# Altium PCB HOL-Dash_1_2.PcbDoc (part 1 of 2)
Units mil, origin at the board's own origin, x right, y up, seen from the top; angles counter-clockwise.
Board outline 2180 x 800 mil, 8 copper layers (Top Layer, Signal Layer 1, Signal Layer 2, Internal Plane 1, Internal Plane 2, Signal Layer 3, Signal Layer 4, Bottom Layer), stack 61.2 mil thick; 115 components, 105 nets, 538 pads, 175 vias.
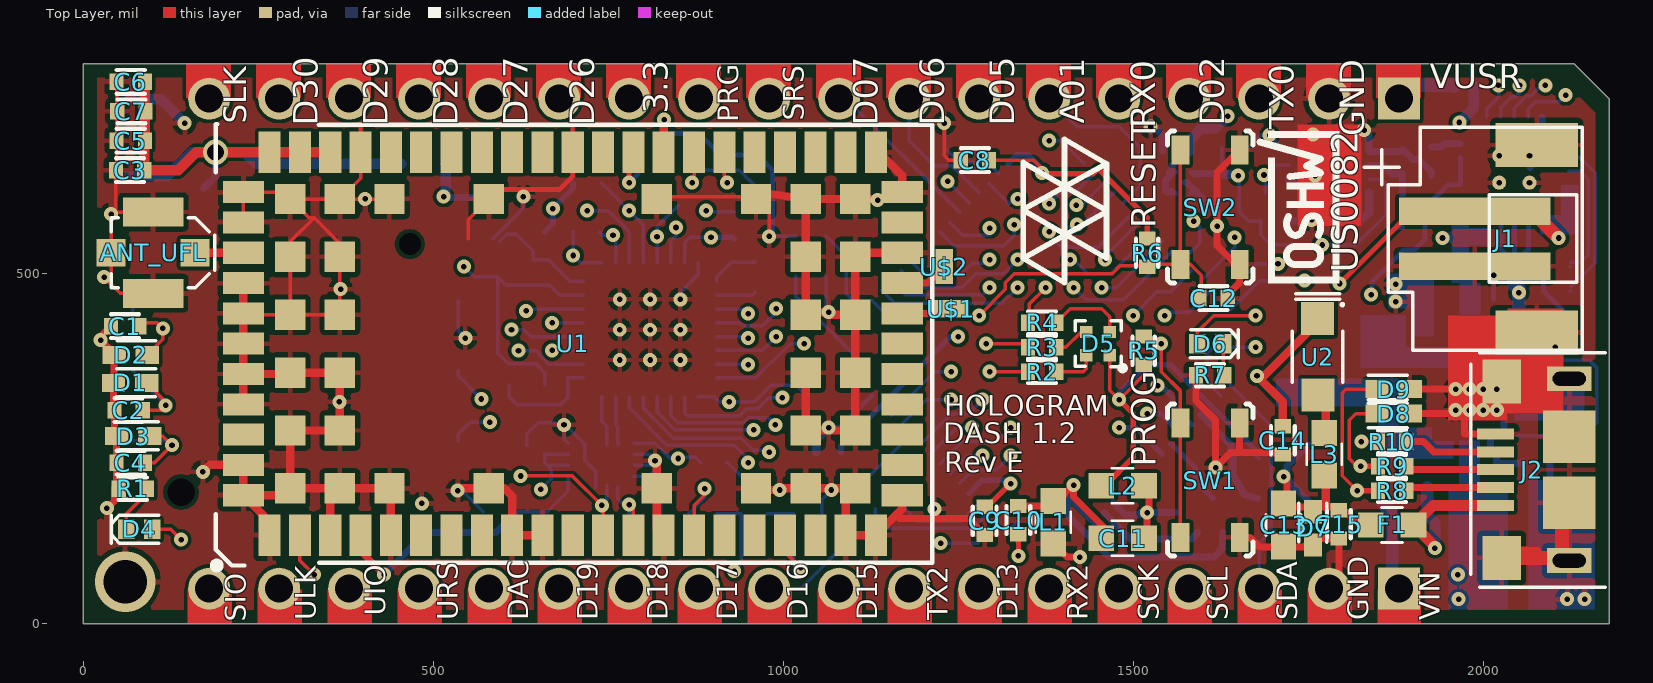
[diagram p0: Top Layer view]
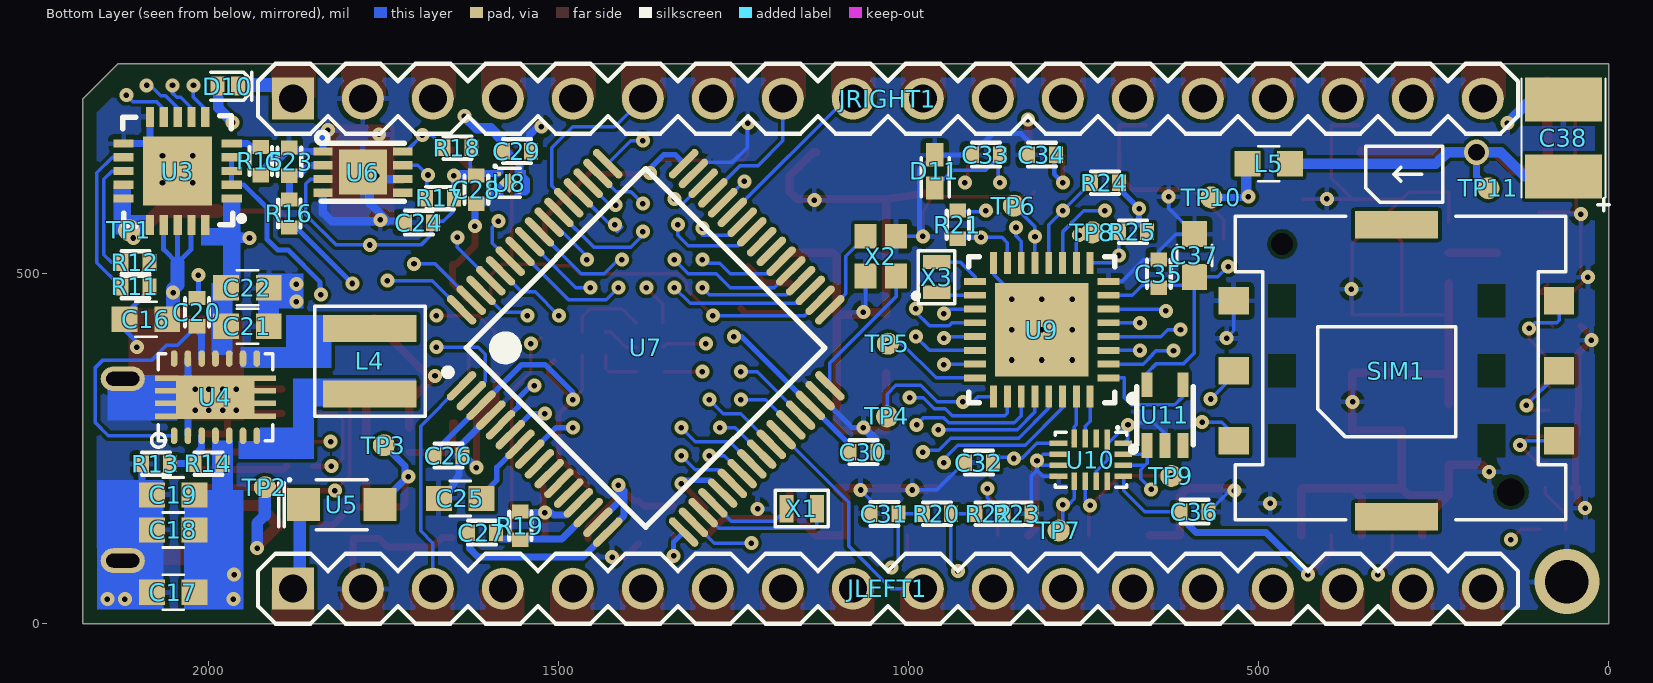
[diagram p1: Bottom Layer view, seen from below]
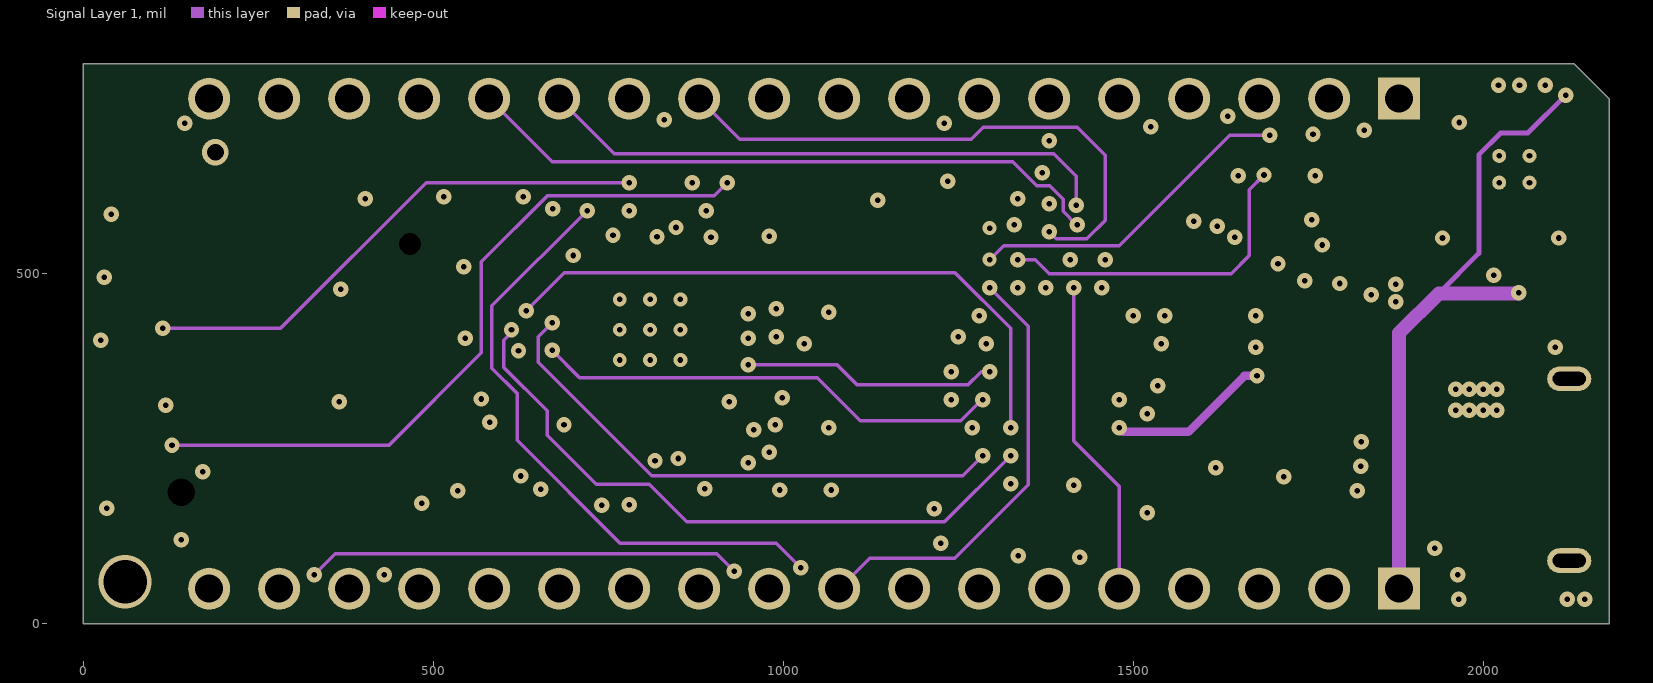
[diagram p2: Signal Layer 1]
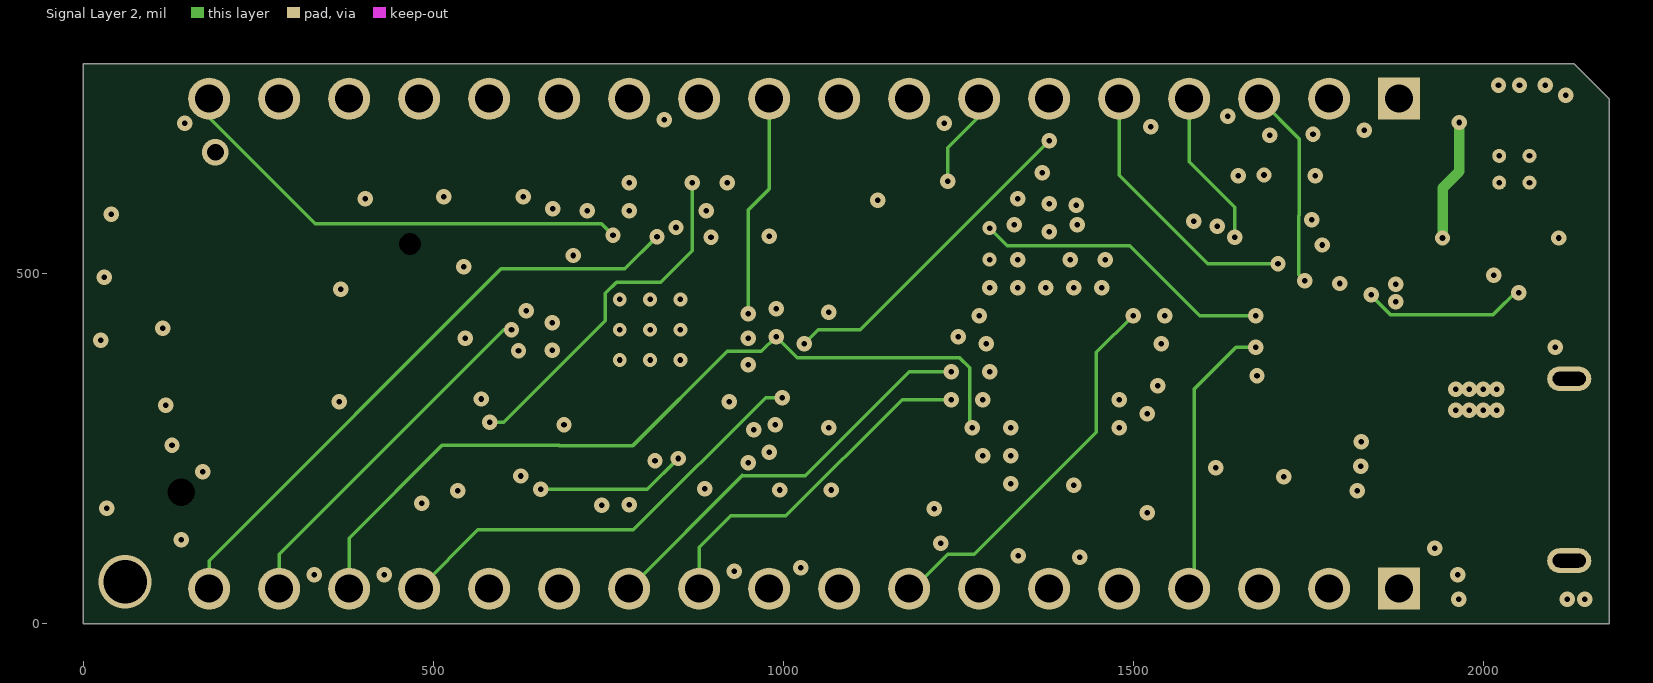
[diagram p3: Signal Layer 2]
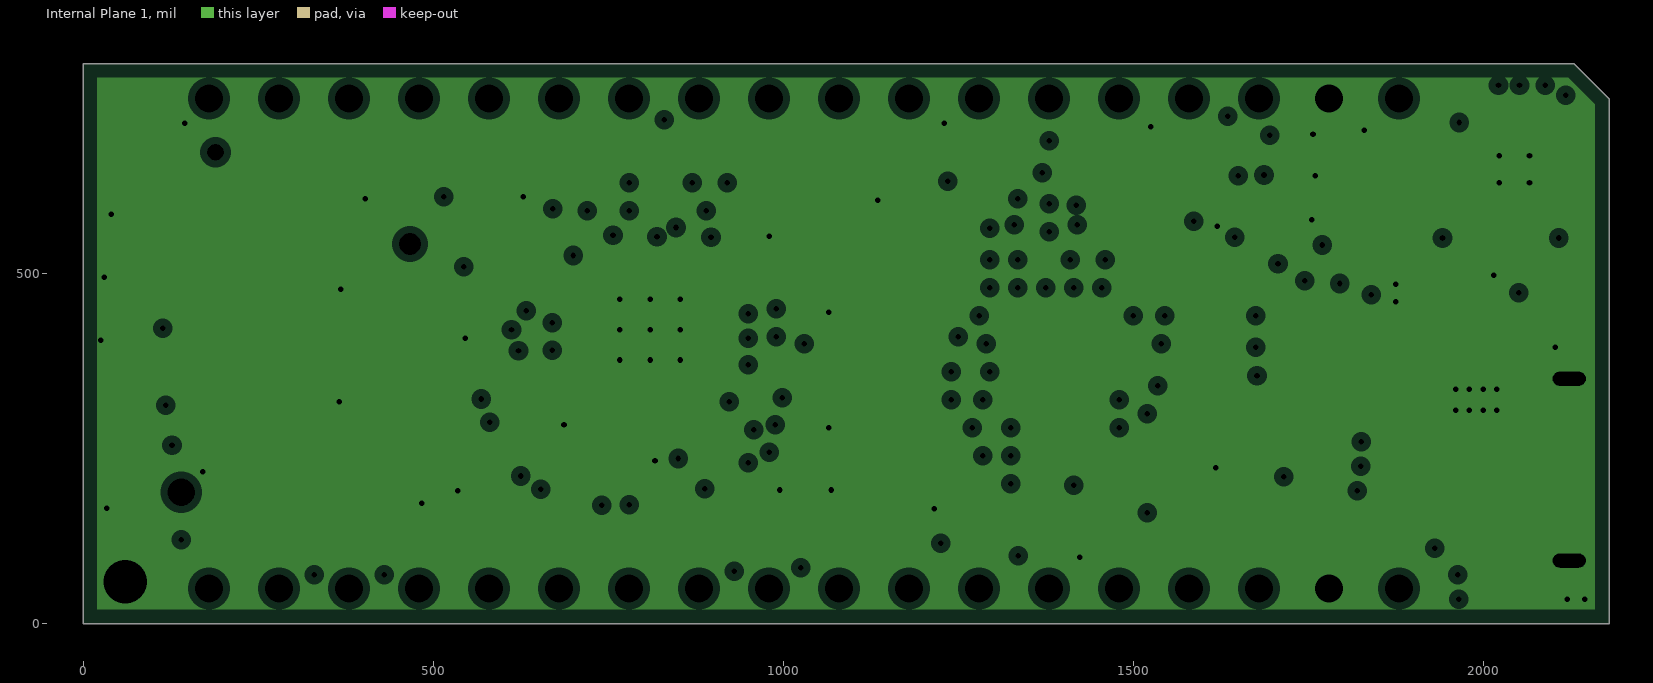
[diagram p4: Internal Plane 1, clearances drawn from the general rule]
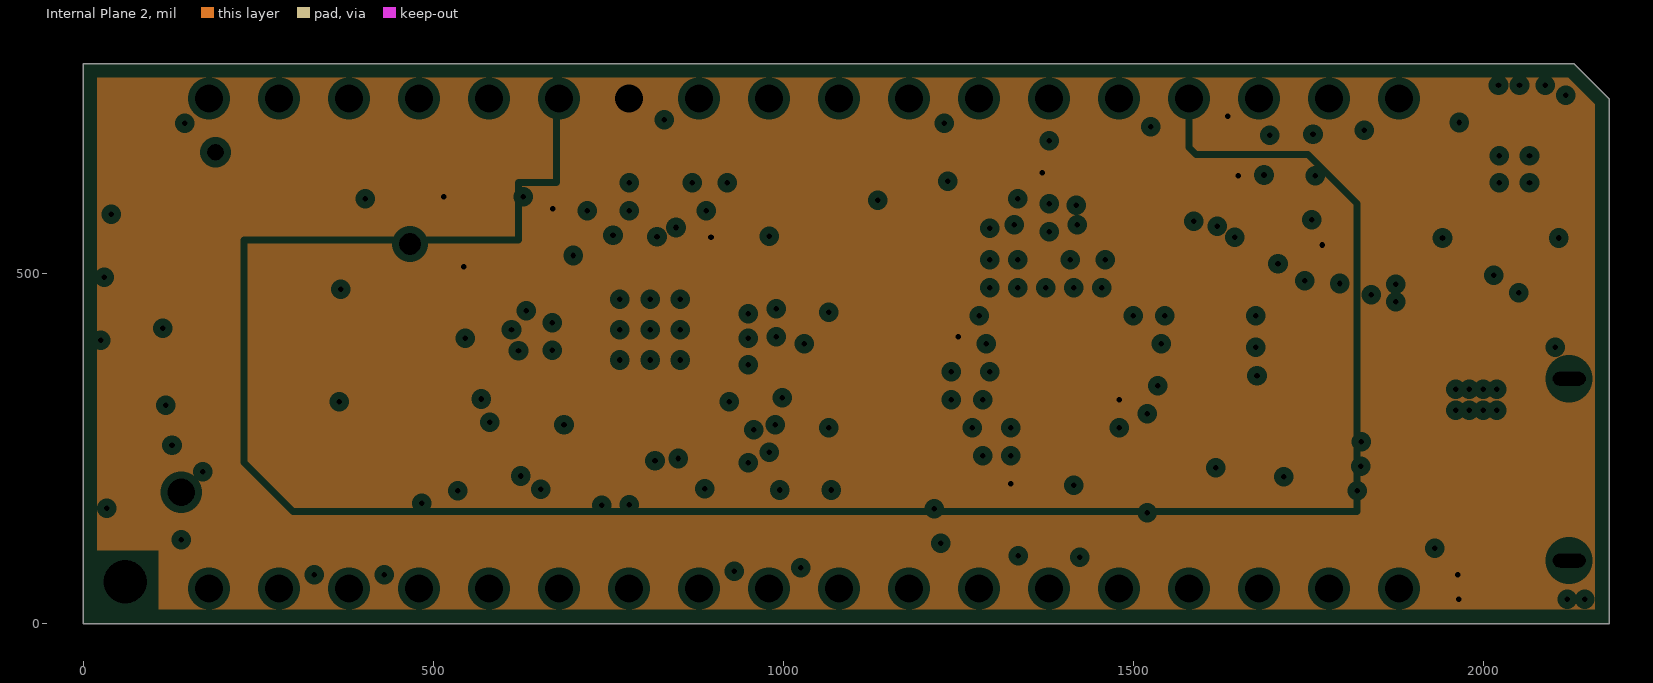
[diagram p5: Internal Plane 2, clearances drawn from the general rule]
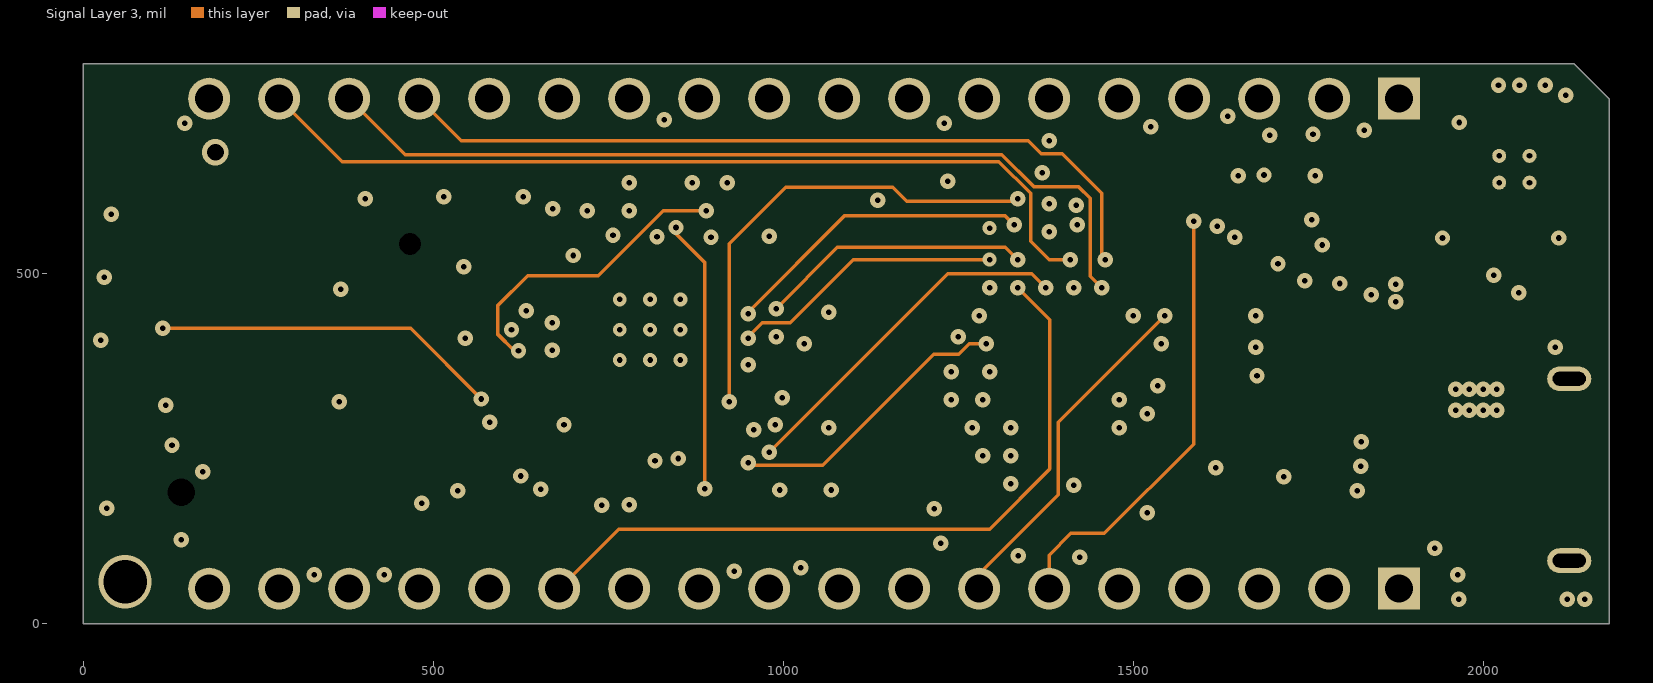
[diagram p6: Signal Layer 3]
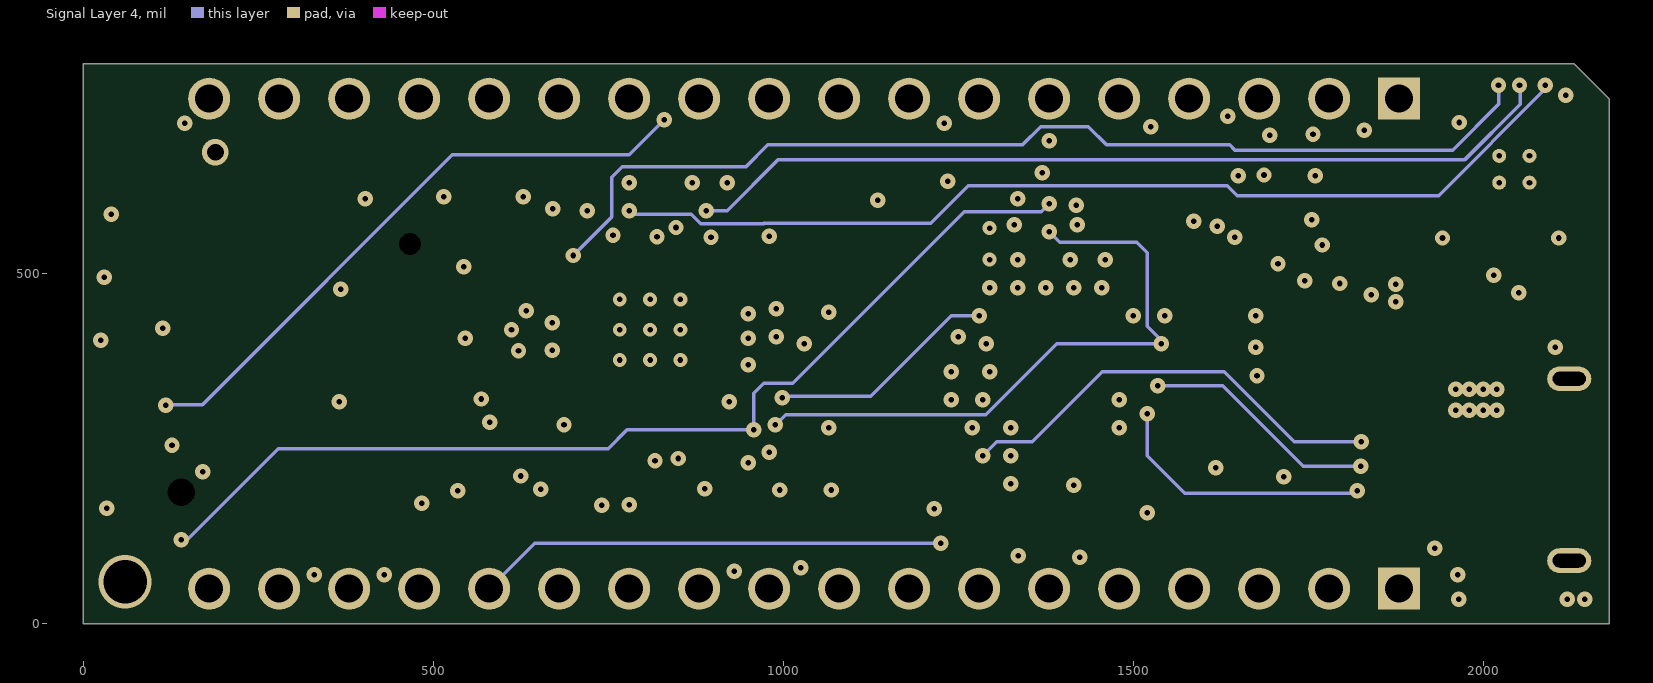
[diagram p7: Signal Layer 4]

## Layer stack, top to bottom
Top Solder: solder mask 0.4, Solder Resist, Dk 3.5
Top Layer: signal copper 1.4
Dielectric 1: prepreg 5, FR-4, Dk 4.2
Signal Layer 1: signal copper 1.4
Dielectric 3: core 10, FR-4, Dk 4.2
Signal Layer 2: signal copper 1.4
Dielectric 4: prepreg 5, Dk 4.2
Internal Plane 1: plane copper 1.4, net GND
Dielectric 7: core 10, Dk 4.2
Internal Plane 2: plane copper 1.4, net (Multiple Nets)
Dielectric 2: prepreg 5, Dk 4.2
Signal Layer 3: signal copper 1.4
Dielectric 5: core 10, Dk 4.2
Signal Layer 4: signal copper 1.4
Dielectric 6: prepreg 5, Dk 4.2
Bottom Layer: signal copper 1.4
Bottom Solder: solder mask 0.4, Solder Resist, Dk 3.5

## Board outline
0,0 0,800 2130,800 2180,750 2180,0

## Design rules (kind name [scope] priority, off if disabled: settings)
Clearance Clearance_3 [(InComponent('TP13'))] p1: gap=0 ignorepadtopadclearanceinfootprint=FALSE
Clearance Clearance_2 [InComponent('TP24') vs InComponent('JLEFT')] p2: gap=0 ignorepadtopadclearanceinfootprint=FALSE
Clearance Clearance_1 [(InNet('GND') AND (InComponent('U10') OR InComponent('D9')))] p3: gap=5 ignorepadtopadclearanceinfootprint=FALSE except(0: Arc-Hole Track-Hole SMDPad-Hole THPad-Hole Via-Hole Fill-Hole Poly-Hole Region-Hole Text-Hole)
Clearance [All] p4: gap=5 ignorepadtopadclearanceinfootprint=FALSE except(0: Arc-Hole Track-Hole SMDPad-Hole THPad-Hole Via-Hole Fill-Hole Poly-Hole Region-Hole Text-Hole)
ComponentClearance ComponentClearance_2 [(InComponent('JRIGHT') OR InComponent('JLEFT') OR InComponent('SIM1') OR InComponent('TP20') OR InComponent('TP14') OR InComponent('TP2') OR  InComponent('TP25') OR InComponent('TP13') OR InComponent('TP24') OR InComponent('R52')   )] p1: gap=-10 collisioncheckmode=3 verticalgap=10 showdistances=FALSE
ComponentClearance ComponentClearance_1 [InComponent('U420')] p2: gap=-10 collisioncheckmode=3 verticalgap=10 showdistances=FALSE
ComponentClearance [All] p3: gap=10 collisioncheckmode=3 verticalgap=10 showdistances=FALSE
MinimumSolderMaskSliver [All] p1 off: minsoldermaskwidth=5
PlaneClearance [All] p1: clearance=10
PlaneConnect [All] p1: planeconnectstyle=Direct reliefexpansion=20 reliefentries=4 reliefconductorwidth=10 reliefairgap=10
PolygonConnect [All] p1: connectstyle=Relief reliefconductorwidth=7 reliefentries=4 polygonreliefangle="90 Angle" airgapwidth=7
RoutingVias [All] p1: holewidth=8 width=22 viastyle="Through Hole" minholewidth=7 minwidth=10 maxholewidth=100 maxwidth=100
SilkToSilkClearance [All] p1 off: silktosilkclearance=10
SilkToSolderMaskClearance [IsPad] p1 off: minsilkscreentomaskgap=10 clearancetoexposedcopper=TRUE
SolderMaskExpansion [All] p1: expansion=4
Width [All] p1: maxlimit=50 minlimit=5 preferedwidth=10 minimp=50.000000 maximp=50.000000 favimp=50.000000
24 further rules are at their usual default settings.

## Components (designator, comment, footprint, x,y, rotation, side; value= is the part's Value field where it differs from the comment)
ANT_UFL "ANT-A-1JB" UFL 100,530 r180 top locked
C1 "47 pF" CAP0402 60,425 r180 top (schematic designator C45)
C2 "47 pF" CAP0402 65,305 r180 top (schematic designator C41)
C3 "15 pf" CAP0402 67,648 r180 top (schematic designator C46)
C4 "47 pF" CAP0402 68,230 r180 top (schematic designator C42)
C5 "10 nF" CAP0402 68,690 r180 top (schematic designator C39)
C6 "56 pf" CAP0402 68,774 r180 top (schematic designator C40)
C7 "0.1 uF" CAP0402 69,732 r180 top (schematic designator C6)
C8 "0.1 uF" CAP0402 1273.98,662.21 r180 top (schematic designator C4)
C9 "0.1 uF" CAP0402 1288,147 r270 top
C10 "0.1 uF" CAP0402 1336,148 r90 top (schematic designator C15)
C11 "2.2 uF" CAP0603 1485,122 r0 top (schematic designator C13)
C12 "0.1 uF" CAP0402 1615,465 r0 top (schematic designator C24)
C13 "2.2 uF" CAP0603 1715,141 r90 top (schematic designator C11)
C14 "0.1 uF" CAP0402 1714,262 r270 top (schematic designator C18)
C15 "0.1 uF" CAP0402 1794,142 r270 top (schematic designator C12)
C16 "1 uF" CAP0603 2090,435 r180 bottom (schematic designator C1)
C17 "22 uF" CAP0603 2051,45 r180 bottom (schematic designator C36)
C18 "22 uF" CAP0603 2051,134 r180 bottom (schematic designator C38)
C19 "22 uF" CAP0603 2051,184 r180 bottom (schematic designator C37)
C20 "0.1 uF" CAP0402 2017,445 r90 bottom (schematic designator C48)
C21 "10 uF" CAP0603 1945,425 r0 bottom (schematic designator C34)
C22 "10 uF" CAP0603 1945,480 r0 bottom (schematic designator C33)
C23 "1uF" CAP0402 1885,660 r90 bottom (schematic designator C20)
C24 "10 nF" CAP0402 1700,573 r0 bottom (schematic designator C27)
C25 "2.2 uF" CAP0603 1641,179 r180 bottom (schematic designator C10)
C26 "0.1 uF" CAP0402 1657.72,240 r180 bottom (schematic designator C8)
C27 "0.1 uF" CAP0402 1610,130 r0 bottom (schematic designator C14)
C28 "1uF" CAP0402 1618,620 r270 bottom (schematic designator C49)
C29 "1uF" CAP0402 1560,675 r180 bottom (schematic designator C16)
C30 "0.1 uF" CAP0402 1065,245 r180 bottom (schematic designator C7)
C31 "47 pF" CAP0402 1035,157 r0 bottom (schematic designator C43)
C32 "0.1 uF" CAP0402 900,230 r0 bottom (schematic designator C26)
C33 "47 pF" CAP0402 890,670 r0 bottom (schematic designator C44)
C34 "0.1 uF" CAP0402 810,670 r0 bottom (schematic designator C2)
C35 "0.1 uF" CAP0402 643,500 r90 bottom (schematic designator C3)
C36 "0.1 uF" CAP0402 592,160 r180 bottom (schematic designator C25)
C37 "2.2 uF" CAP0603 592,526 r270 bottom (schematic designator C28)
C38 "330uF" CAP1210POL 65,694 r90 bottom (schematic designator C47)
D1 "" PESD_0402 67,344 r0 top (schematic designator D6)
D2 "" PESD_0402 68,384 r0 top (schematic designator D11)
D3 "" PESD_0402 71.62,268 r0 top (schematic designator D9)
D4 "LED_0402_VLMW" LED_0402_VISHAY_VLMW 80,135 r0 top (schematic designator D7)
D5 "LED_RGB_1mm_sq" LED-RGB-1X1 1450,400 r270 top locked (schematic designator D2)
D6 "LED_0402_VLMW" LED_0402_VISHAY_VLMW 1610,400 r180 top locked (schematic designator D1)
D7 "" PESD_0402 1757,136 r90 top (schematic designator D5)
D8 "" PESD_0402 1872,300 r180 top (schematic designator D3)
D9 "" PESD_0402 1872,335 r180 top (schematic designator D4)
D10 "CDBQR0230L" DIODE_0402 1973,768 r180 bottom (schematic designator D8)
D11 "" PESD_0402 963,646 r270 bottom (schematic designator D10)
F1 "3A" RES0603 1870,141 r0 top (schematic designator F6)
J1 "BAT_TERM_TOP_ENTRY" JST-PH-2-Top 2175,550 r270 top locked (schematic designator J20)
J2 "Micro USB B FCI 10118193" USB_MICRO_FCI_10118193 2123,220 r180 top locked (schematic designator J1)
JLEFT1 "22-28-4180" 1X18 1880,50 r180 bottom locked (schematic designator JLEFT)